# Altium PCB CameraControler0.7.PcbDoc (part 2 of 3)
Units mil, origin at the board's own origin, x right, y up, seen from the top; angles counter-clockwise.
Board outline 5511.81 x 4409.45 mil, 2 copper layers (Top Layer, Bottom Layer); 294 components, 219 nets, 919 pads, 373 vias.
Unrouted connection lines stored in the file: 189.
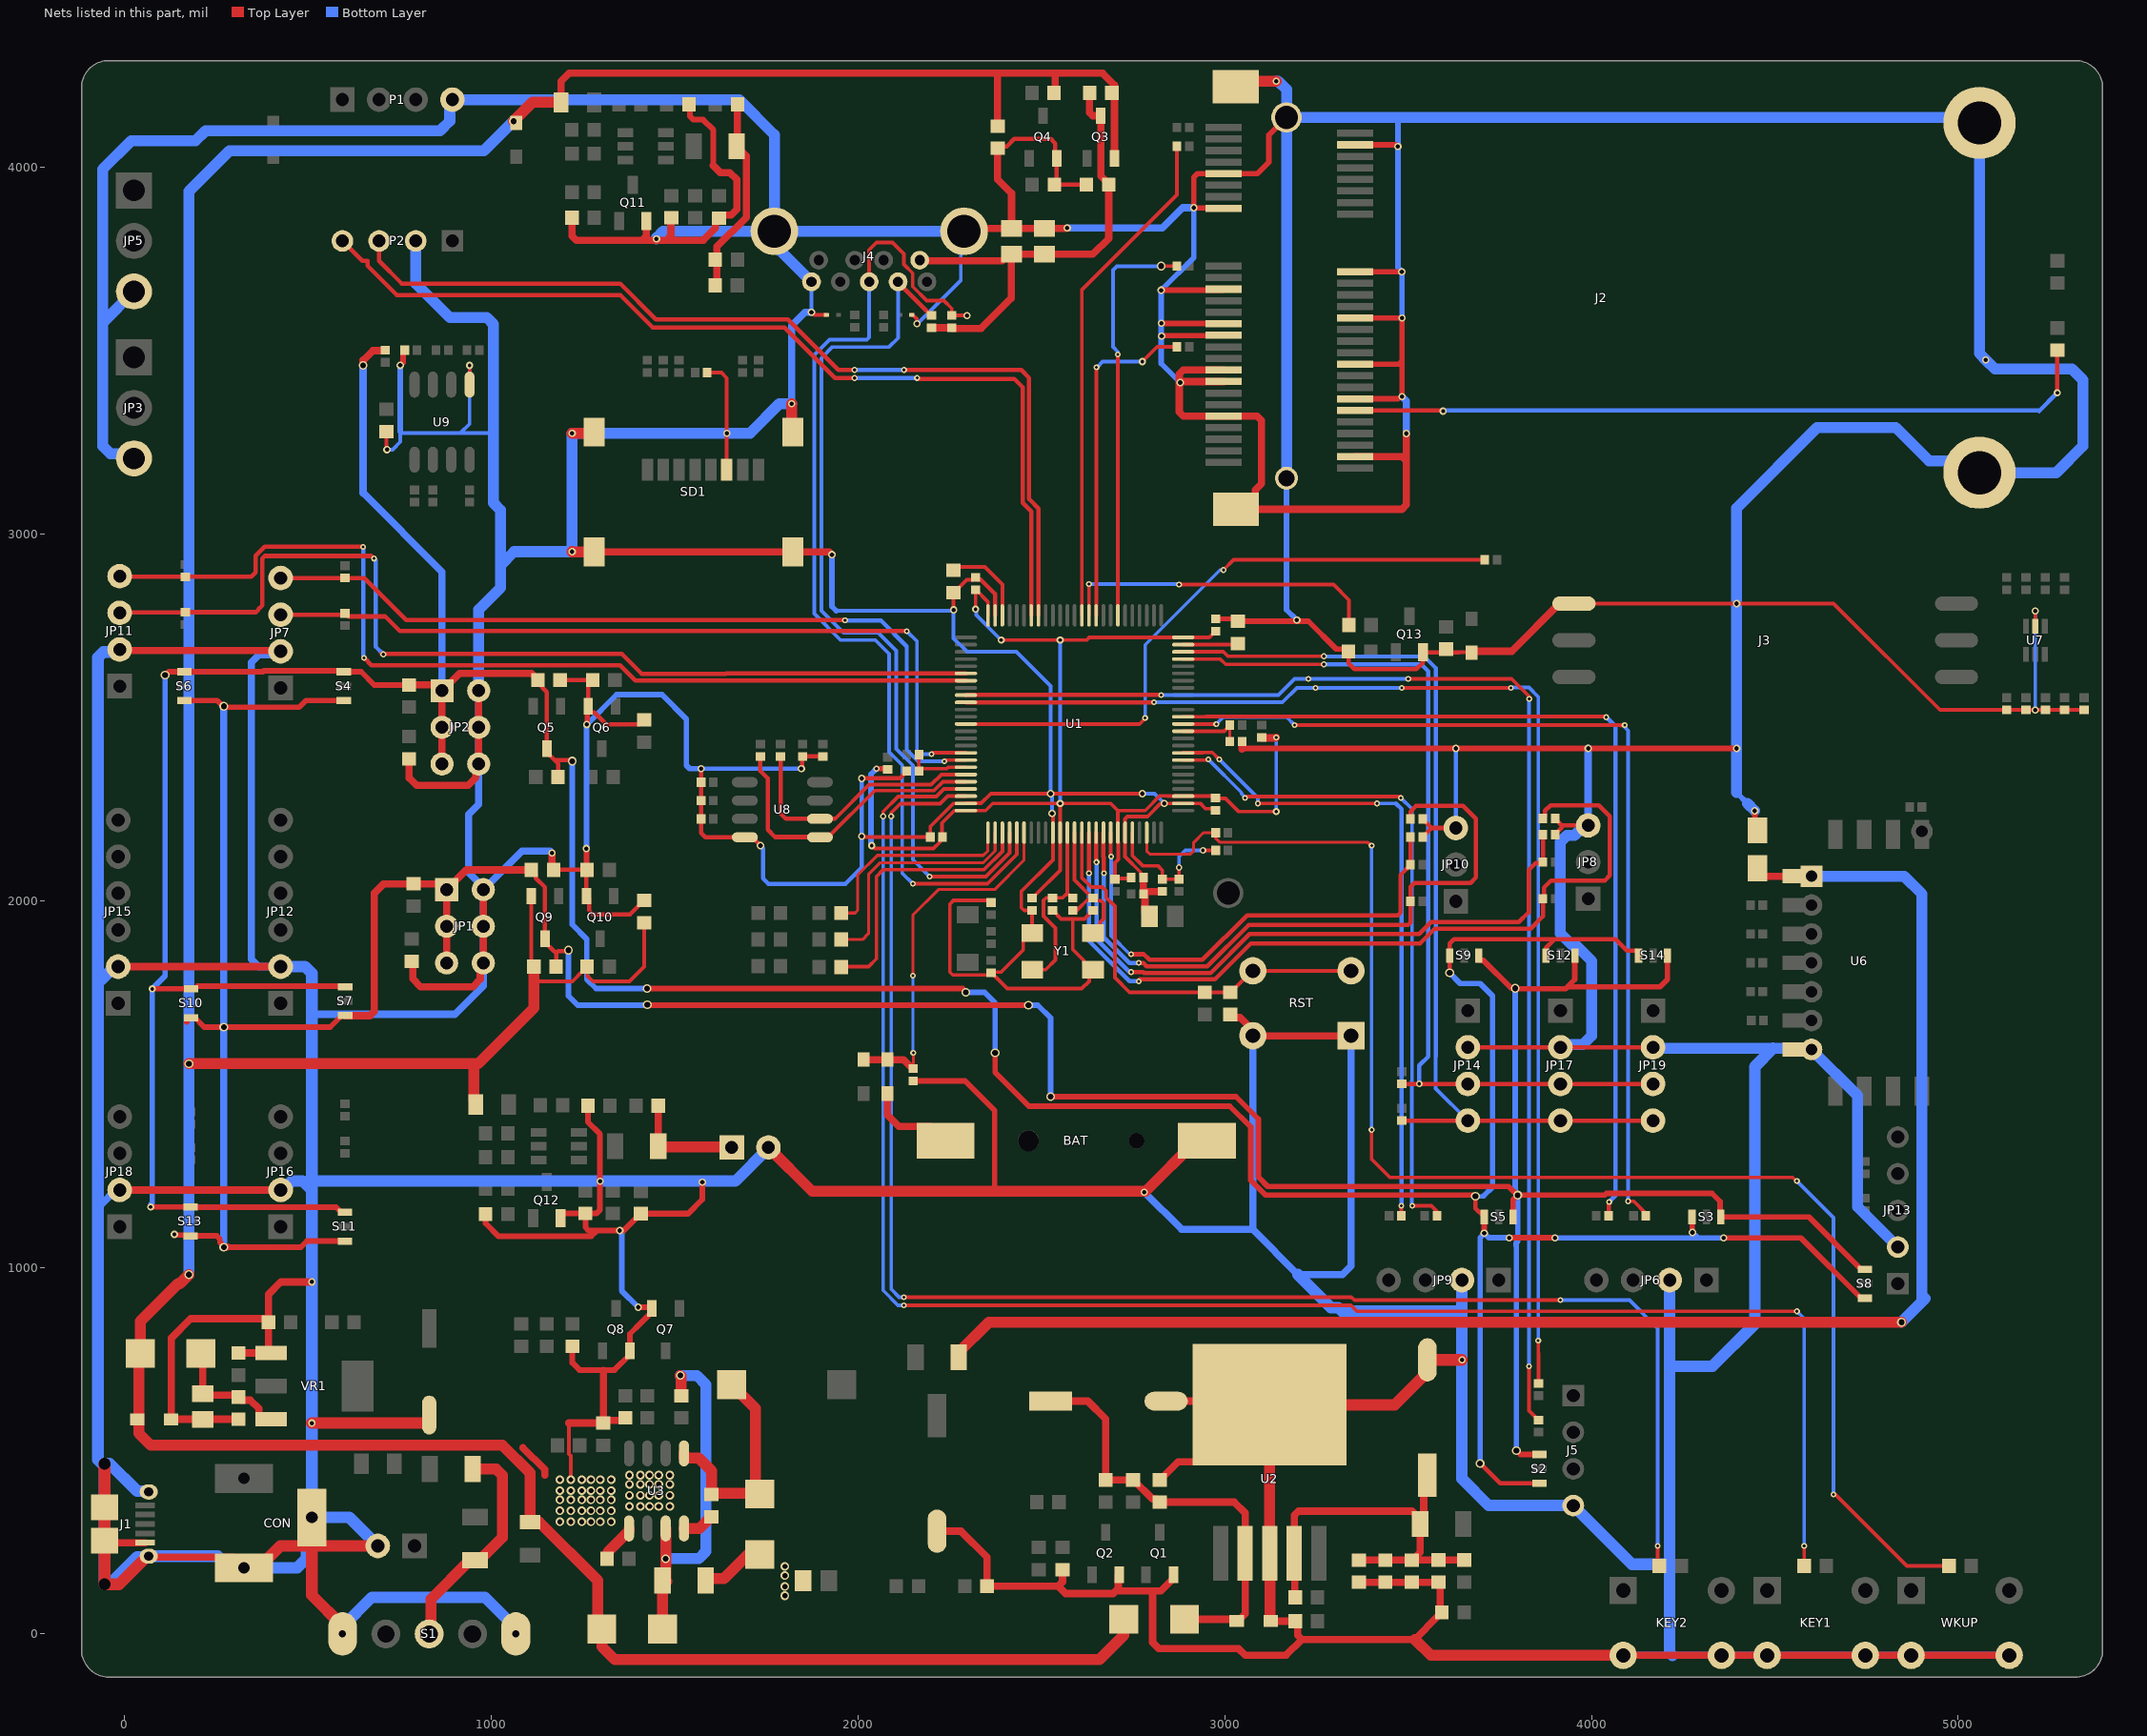
[diagram p2: the nets of this part, all layers, seen from the top]

## Via types
v1: diameter 16, hole 8, Top Layer to Bottom Layer, 142 vias
v2: diameter 20, hole 12, Top Layer to Bottom Layer, 65 vias
v3: diameter 23.62, hole 13.78, Top Layer to Bottom Layer, 54 vias
v4: diameter 24, hole 16, Top Layer to Bottom Layer, 41 vias
v5: diameter 20, hole 10, Top Layer to Bottom Layer, 32 vias
v6: diameter 18, hole 10, Top Layer to Bottom Layer, 26 vias
v7: diameter 16, hole 7.87, Top Layer to Bottom Layer, 7 vias
v8: diameter 157.48, hole 118.11, Top Layer to Bottom Layer, 4 vias
v9: diameter 20, hole 16, Top Layer to Bottom Layer, 2 vias

## Nets (pads, with @x,y where several pads share a name; then routed paths per layer and width w, separated by ;. In a path a pad name is that pad's centre, name@x,y a point inside that pad or via, vN(x,y) a via of type N, cw(c..) or ccw(c..) an arc to the next point about the centre after c; other vN are vias at no path point) (continued)
+3.3V_VCC_OUT3.3: C36.2 JP2.1 JP2.3 JP2.5 Q5.3 R44.1 R54.2 R101.1 S2.1 S3.1 S4.1 S5.1 S6.1 S7.1 S8.1 S9.1 S10.1 S11.1 S12.1 S13.1 S14.1 | length 12163.5
  Top Layer w10: v2(4360,1080) 4370,1080
  Top Layer w11.81: C36.2@1126.51,2601.74 1126.51,2593.44 1151.14,2568.81 Q5.3@1151.14,2413.99 1151.14,2404.14 1172.54,2382.75 1173.1,2382.75 ; R44.1@1181.46,2337.39 1181.46,2374.4 1173.1,2382.75 ; v4@1213.97,2382.75 1173.1,2382.75 ; v4(3612.95,1802.81) 3613.04,1802.9 3613.04,1849.91 S9.1@3613.13,1850 3613.13,1883.48 3624.65,1895 3899.59,1895 ; v4(3683.24,1193.56) 3683.24,1160.96 S5.1@3707.09,1137.11 ; v4(3695.86,465) 3750.23,410.63 S2.1@3857.89,410.63 ; 3875.63,1870 3875.63,1871.04 3899.59,1895 ; S14.1@4128.13,1850 4128.13,1859.84 4124.19,1863.78 4096.22,1863.78 4065,1895 3899.59,1895
  Top Layer w15: v5(70.63,1164.37) S13.1@179.23,1164.37 179.9,1163.7 576.49,1163.7 590.16,1150.03 S11.1@600,1150.03 ; v5(75,1759.37) S10.1@181.11,1759.37 190.95,1759.37 198.55,1766.96 599.15,1766.96 S7.1@601.11,1765 ; v4(110,2615) 119.37,2624.37 S6.1@162.11,2624.37 377.02,2624.37 379.61,2626.97 584.67,2626.97 587.27,2624.37 S4.1@597.11,2624.37 644.45,2624.37 680.56,2588.26 R54.2@775.17,2588.26 ; v4@1213.97,2382.75 1217.7,2382.75 v4(1220,2380.44) ; v4(1423.9,1760) 2284.95,1760 2293.74,1751.21 v4(2293.74,1750.1) ; v4(2373.46,1585) 2373.46,1531.54 2465.5,1439.5 3013.5,1439.5 3070.14,1382.86 3070.14,1237.37 3110.78,1196.73 3683.24,1196.73 v4(3683.24,1193.56) ; v2(3707.09,1092.91) S5.1@3707.09,1137.11 ; v2(3775,1080.34) 3899.66,1080.34 v2(3900,1080) ; S3.1@4273.63,1137.11 4274.32,1136.43 4274.32,1095.68 v2(4275,1095) ; 4370,1080 4570.79,1080 4735.16,915.63 S8.1@4745,915.63
  Top Layer w20: v4(650,3460) 650,3473.82 676.1,3499.92 708.36,3499.92 R101.1@710.17,3501.73 ; R54.2@775.17,2588.26 849.54,2588.26 JP2.1@865.17,2572.63 ; JP2.5@865.17,2372.63 JP2.3@865.17,2472.63 JP2.1@865.17,2572.63 ; C36.2@1126.51,2601.74 1126.51,2602.72 1109.11,2620.13 912.67,2620.13 JP2.1@865.17,2572.63
  Bottom Layer w11.81: v4(3683.24,1193.56) 3704.57,1193.56 3706.01,1195
  Bottom Layer w15: v5(70.63,1164.37) 71.59,1165.33 71.59,1171.59 75,1175 v5(75,1759.37) 110,1794.37 v4(110,2615) ; v4(1220,2380.44) 1220,1935 1260,1895 1260,1785 1285,1760 v4(1423.9,1760) ; v4@2295,1750.1 2344.9,1750.1 2373.46,1721.54 v4(2373.46,1585) ; v4(3612.95,1802.81) 3641.77,1774 3695.86,1774 3730,1739.86 3730,1218.99 3706.01,1195 ; v4(3695.86,465) 3695.86,1080.34 3707.09,1091.56 v2(3707.09,1092.91) 3719.66,1080.34 v2(3775,1080.34) ; v2(3900,1080) 4290,1080 ; v2(4275,1095) 4290,1080 ; v2(4360,1080) 4290,1080
  Bottom Layer w20: v4(650,3460) 650,3111.73 865.17,2896.56 JP2.1@865.17,2572.63
+3.3V_VCC_WiFi: C44.1 R41.2 U6.1 | length 4258.9
  Top Layer w19.68: C44.1@4452.12,2088.43 4452.12,2083.35 4468.86,2066.61 U6.1@4554.45,2066.61
  Top Layer w30: R41.2@2273.66,754.25 2273.66,767.44 2356.22,850 v4(4845,850)
  Bottom Layer w30: U6.1@4599.53,2066.44 4852.87,2066.44 4900.71,2018.6 4900.71,915 4910,915 v4(4845,850)
+3.3V_VDD: C10.1 C11.1 C12.1 C13.1 C14.1 C15.1 R6.1 R15.2 R16.2 U1.11 U1.19 U1.28 U1.50 U1.75 U1.100 | length 3533.4
  Top Layer w10: v5(2036.95,2150) 2044.88,2142.08 2205.5,2142.08 2223.28,2159.85 2223.28,2166.55 C10.1@2228.46,2171.74 ; C10.1@2230.09,2173.36 C10.1@2228.46,2171.74 ; v5(2320,2794.93) C15.1@2320,2848.27 2320.98,2848.27 2353.7,2815.55 2353.7,2778.07 U1.75@2353.78,2777.99 ; v5(2390.04,2710.8) v5(2550.63,2710.8) 2623.21,2710.8 2630.36,2717.95 U1.50@2886.26,2717.95 2956.97,2717.95 2974.02,2735 C14.1@2975,2735 ; C11.1@2474.52,2006.58 2475.51,2006.58 2482.32,2013.39 2482.32,2014.37 2550.63,2082.68 U1.11@2550.63,2185.47 v5(2550.63,2265) ; R6.1@2700,2058.46 2702.32,2060.79 R6.1@2703.31,2060.79 ; C12.1@2744.25,2063.11 2741.93,2060.79 R6.1@2703.31,2060.79 ; C13.1@2969.76,2284.96 2886.34,2284.96 U1.28@2886.26,2284.88 2886.18,2284.96 2844.74,2284.96 2843.7,2286 2823.09,2286 2782.6,2245.51 2708.11,2245.51 ; C13.1@2974.02,2279.93 2975.56,2278.38 3001.81,2278.38 3037.09,2243.11 v5(3140,2243.11) ; C10.1@2228.46,2171.74 2228.46,2211.66 2262.32,2245.51 U1.100@2293.74,2245.51 2347.4,2245.51 2366.89,2265 v5(2550.63,2265) ; v5(2550.63,2265) 2688.62,2265 2708.11,2245.51 ; R6.1@2703.31,2060.79 2700,2064.09 2700,2103.13 2709,2112.13 2709,2159.15 2708.11,2160.04 U1.19@2708.11,2185.47 2708.11,2245.51
  Top Layer w15: v1(2049.94,2359.94) 2077.73,2359.94 R16.2@2080,2357.66
  Top Layer w20: R15.2@3100,2445.31 3101.81,2443.5 3138.5,2443.5 v1(3140,2445)
  Bottom Layer w10: v5(2320,2794.93) 2321.91,2793.02 2321.91,2778.93 v5(2390.04,2710.8) ; v5(2550.63,2265) v5(2550.63,2710.8) ; v5(3140,2243.11) v1(3140,2445)
  Bottom Layer w15: v5(2036.95,2150) 2035,2151.95 2035,2344.73 2049.94,2359.67 v1(2049.94,2359.94)
+5V_VBAT: R25.2 R26.2 S1.2 | length 619.3
  Top Layer w30: S1.2@830,0 835,5 835,94.53 941.81,201.34 R26.2@955,201.34 968.19,201.34 1030,263.15 1030,432.43 1012.43,450 R25.2@948.66,450
+5V_VBAT_IN: C29.2 C38.2 D4.1 D5.1 D6.2 D7.1 D10.1 F3.2 F4.2 F5.2 Q3.2 Q9.2 R35.2 R37.2 R55.2 R56.2 | length 11638.5
  Top Layer w10: Q9.2@1108.55,2012.38 1108.55,1826.73 R56.2@1115.64,1819.64 R56.2@1115.64,1807.46 ; 1115.64,1795.27 1131.27,1779.64 1220.95,1779.64 1246.66,1805.35 1247.65,1805.35 R55.2@1260.95,1818.66 ; R55.2@1260.95,1819.64 R55.2@1260.95,1818.66 ; C38.2@1416.27,1939.64 1416.27,1819.64 1376.27,1779.64 1276.58,1779.64 1260.95,1795.27 R55.2@1260.95,1818.66
  Top Layer w19.68: F4.2@1190,4177.28 1190,4235 1212.2,4257.2 2380.25,4257.2 ; C29.2@2380.25,4112.52 2380.25,4257.2 ; R35.2@2537.64,4206.63 2537.64,4257.2 ; Q3.2@2698.78,4024.47 2698.78,4224.8 2666.37,4257.2 2537.64,4257.2 ; 2380.25,4257.2 2537.64,4257.2
  Top Layer w23.62: R35.2@2534.29,4203.29 R35.2@2537.64,4206.63
  Top Layer w30: D6.2@33.54,585.35 D6.2@36.59,585.35 ; v4(175,980) 150,955 145,955 42.32,852.32 D5.1@42.32,765 37.93,760.61 37.93,586.69 D6.2@36.59,585.35 ; v4(175,1555) 952.23,1555 ; F5.2@957.23,1443.9 957.23,1451.4 952.23,1456.4 952.23,1555 ; v4(1060,4125.65) 1111.87,4177.52 1189.76,4177.52 F4.2@1190,4177.28 ; F3.2@1105,305 1105,439.37 1030,514.37 70.63,514.37 38.23,546.77 38.23,584.02 36.89,585.35 D6.2@36.59,585.35 ; R56.2@1115.64,1807.46 1115.64,1795.27 1115.64,1707.16 963.48,1555 952.23,1555 ; F3.2@1130,305 1289.55,145.45 1289.55,25.02 D10.1@1300.98,13.58 ; D10.1@1300.91,13.58 1300.91,-35 1335.91,-70 2657.81,-70 2724.53,-3.28 D7.1@2724.53,39.92
  Bottom Layer w30: v4(175,980) v4(175,1555) 175,3935 285,4045 979.35,4045 v4(1060,4125.65)
+5V_VCC_CAM: R57.2 R88.1 R89.1 R136.2 | length 541.3
  Top Layer w15.75: R57.2@1668.9,4057.2 R57.2@1669.88,4058.19 ; R136.2@1669.88,4171.22 R136.2@1670.86,4172.2
  Top Layer w19.68: R89.1@1609.68,3677.83 1615,3683.15 1615,3783.56 1695,3863.56 1695,4031.1 R57.2@1668.9,4057.2 ; R57.2@1669.88,4058.19 R136.2@1669.88,4171.22
+5V_VCC_OUT: JP4.1 R65.2 R137.2 | length 312.2
  Top Layer w19.68: R65.2@1454.76,1330 R137.2@1454.76,1440.48
  Top Layer w30: R65.2@1454.76,1330 1456.37,1328.4 1653.55,1328.4 JP4.1@1655.16,1326.79
+5V_VCC_OUT5: C41.2 JP1.1 JP1.3 JP1.5 Q9.3 R46.2 R56.1 S2.3 S3.3 S4.3 S5.3 S6.3 S7.3 S8.3 S9.3 S10.3 S11.3 S12.3 S13.3 S14.3 | length 10619.9
  Top Layer w11.81: C41.2@1108.55,2083.99 1120.95,2071.59 1120.95,2061.37 1145.95,2036.37 Q9.3@1145.95,1896.24 1145.95,1886.39 1167.35,1865 1167.92,1865 1176.27,1856.65 ; R56.1@1176.27,1819.64 1176.27,1856.65 ; v4(1210,1865) 1207.67,1862.67 1182.29,1862.67 1176.27,1856.65
  Top Layer w15: v5(135,1090) 136.35,1090 138.38,1087.97 176.89,1087.97 S13.3@179.23,1085.63 250.63,1085.63 259.42,1076.84 259.42,1068.02 270,1057.44 v4(270,1055) ; S6.3@162.11,2545.63 251.93,2545.63 267.56,2530 v4(270,2530) ; 168.93,1668.44 168.93,1678.29 171.27,1680.63 S10.3@181.11,1680.63 190.95,1680.63 216.58,1655 v4(270,1655) 560.01,1655 591.27,1686.26 S7.3@601.11,1686.26 ; v4@278,2527.63 475.59,2527.63 493.59,2545.63 S4.3@597.11,2545.63 ; v4@280,1055 480,1055 496.29,1071.29 S11.3@600,1071.29 ; v4(1425,1715.98) 1426.1,1714.88 v4(2464.34,1714.88) ; v4(2524.73,1465) 3030,1465 3091.14,1403.86 3091.14,1246.06 3116.71,1220.5 3773.48,1220.5 3797.25,1196.73 v4(3798.5,1196.73) ; S9.3@3691.87,1850 3691.87,1840.16 3694.21,1837.81 3704.06,1837.81 3780.99,1760.88 v4(3791.81,1760.88) 3793.19,1759.5 3928.87,1759.5 3934.37,1765 ; S5.3@3785.83,1137.11 3785.83,1184.06 v4(3798.5,1196.73) ; v4(3795,500) 3805.63,489.37 S2.3@3857.89,489.37 ; S12.3@3954.37,1850 3954.37,1785 3934.37,1765 ; S14.3@4206.87,1850 4206.87,1785 4186.87,1765 3934.37,1765 ; S8.3@4745,994.37 4735.16,994.37 4592.42,1137.11 S3.3@4352.37,1137.11 4350.32,1139.16 4350.32,1179.3 4328.11,1201.5 4040.72,1201.5 4035.95,1196.73 v4(3798.5,1196.73)
  Top Layer w20: v4(270,1055) v4@280,1055 ; S7.3@601.11,1686.26 668.28,1686.26 680,1697.98 680,2020 705.63,2045.63 R46.2@787.66,2045.63 862.03,2045.63 JP1.1@877.66,2030 ; JP1.5@877.66,1830 JP1.3@877.66,1930 JP1.1@877.66,2030 ; C41.2@1108.55,2083.99 931.65,2083.99 JP1.1@877.66,2030
  Bottom Layer w15: v4(1210,1865) 1210,1739.88 1235,1714.88 1423.9,1714.88 v4(1425,1715.98) ; v4(2464.34,1714.88) 2490,1714.88 2524.73,1680.16 v4(2524.73,1465) ; v4(3791.81,1760.88) 3791.81,1205.86 3798.5,1199.17 v4(3798.5,1196.73) 3798.5,1070.6 3794.09,1066.2 3794.09,1059.36 3795,1058.46 v4(3795,500)
  Bottom Layer w20: v4(270,1055) v4(270,1655) v4(270,2530)
+5V_VCC_USB: C30.2 C51.2 C52.2 J4.1 Q3.3 R37.1 R84.2 R125.2 | length 1359.5
  Top Layer w10: R37.1@2622.69,4203.28 R37.1@2622.69,4217.2
  Top Layer w19.68: J4.1@2167.8,3746.89 2169.86,3744.83 2393.31,3744.83 2411.95,3763.46 C51.2@2418.05,3763.46 ; R84.2@2200,3562.4 R125.2@2255,3562.4 2256.97,3560.43 2297.32,3560.43 2297.75,3560 2335,3560 2418.05,3643.05 C51.2@2418.05,3763.46 ; R37.1@2631.06,4203.28 2631.06,4149.8 2640.25,4140.61 Q3.3@2661.37,4140.61 2661.37,3975.79 C30.2@2683.32,3953.84 ; C30.2@2683.32,3952.85 2683.32,3806.54 2640.25,3763.46 C52.2@2508.05,3763.46 C51.2@2418.05,3763.46
ADC_CH1: R100.2 R132.1 U1.15 | length 2301.2
  Top Layer w11.81: v7(2629.37,2075) U1.15@2629.37,2185.47 ; v1@2767.17,1785 2972.1,1785 3070.58,1883.48 3531.86,1883.48 3572.13,1923.75 3834.18,1923.75 3867.17,1956.73 R100.2@3867.17,2005.08 3870,2007.91 3870,2035.59 3889.49,2055.08 4036.16,2055.08 4049.63,2068.54 4049.63,2230.08 4019.63,2260.08 3888.07,2260.08 3873.07,2245.08 3873.07,2229.92 R132.1@3867.17,2224.02
  Bottom Layer w11.81: v7(2629.37,2075) 2629.37,1890.18 2739.55,1780 v1(2765,1780)
ADC_CH2: R103.2 R104.1 U1.16 | length 1814
  Top Layer w11.81: U1.16@2649.06,2185.47 2649.06,2115.94 2649.2,2115.8 2649.2,2105.8 v7(2650,2105) ; v7(2744.25,1805.04) 2777.24,1805.04 2779.47,1802.81 2961.28,1802.81 3067.42,1908.96 3530,1908.96 3562.6,1941.56 3801.68,1941.56 3828.07,1967.95 3828.07,2083.07 3848.07,2103.07 3865.16,2103.07 R103.2@3867.17,2105.08 R104.1@3867.17,2180.08
  Bottom Layer w11.81: v7(2650,2105) 2650,1894.74 2739.7,1805.04 v7(2744.25,1805.04)
ADC_CH3: R106.2 R107.1 U1.17 | length 1871.1
  Top Layer w11.81: U1.17@2668.74,2185.47 2668.74,2119.98 2670,2118.71 v7(2670,2075) ; v7(2765,1830.2) 2765.8,1829.4 2778.07,1829.4 2786.85,1820.62 2951.7,1820.62 3064.19,1933.11 3499.32,1933.11 3506.24,1940.03 R106.2@3506.24,1998.11 3506.24,2037.2 3517.15,2048.11 3669.7,2048.11 3684.7,2063.11 3684.7,2223.11 3649.7,2258.11 3521.24,2258.11 3506.24,2243.11 R107.1@3506.24,2223.11 R107.1@3506.24,2222.13
  Bottom Layer w11.81: v7(2670,2075) 2670,1899.93 2739.73,1830.2 v7(2765,1830.2)
ADC_CH4: R108.2 R109.1 U1.18 | length 1367
  Top Layer w10: U1.18@2688.43,2185.47 2688.43,2123.2 2690,2121.62 v7(2690,2120)
  Top Layer w11.81: v7(2744.25,1853.83) 2778.83,1853.83 2794.23,1838.43 2938.88,1838.43 3060.29,1959.84 3471.6,1959.84 3479.7,1967.95 3479.7,2070.59 3506.24,2097.13 R108.2@3506.24,2098.11 3506.24,2172.13 R109.1@3506.24,2173.11
  Bottom Layer w10: v7@2688.43,2120.53 2690,2118.96 2690,1904.28 v7@2741.17,1853.11
BOOT0: R7.2 R8.1 U1.94 | length 177.2
  Top Layer w10: R7.2@2165.63,2398.18 R8.1@2165.63,2353.36 2172.2,2359.94 2241.81,2359.94 2245.49,2363.62 U1.94@2293.74,2363.62
BOOT1: R9.2 R10.1 U1.37 | length 178.6
  Top Layer w8: R10.1@3013.38,2433.78 3013.38,2477.79 R9.2@3013.38,2478.78
  Top Layer w10: U1.37@2886.26,2462.05 2997.64,2462.05 R9.2@3013.38,2477.79
Cam_Connect: J4.8 R84.1 U1.4 | length 2406.9
  Top Layer w10: v1(2195,2065.59) 2348.32,2065.59 2412.83,2130.1 U1.4@2412.83,2185.47
  Top Layer w11.81: J4.8@2108.74,3687.83 2108.74,3686.14 2199.02,3595.86 R84.1@2200,3595.86
  Bottom Layer w10: J4.8@2108.74,3687.83 2108.74,3534.6 2084.14,3510 1930,3510 1900,3480 1900,2790.8 1960,2730.8 2054.68,2730.8 2104.14,2681.34 2104.14,2413.59 2148.9,2368.83 2148.9,2111.69 v1(2195,2065.59)
Cam_TakePhoto: J4.7 R125.1 U1.5 | length 2801.1
  Top Layer w10: J4.7@2030,3687.83 2030,3775 2050,3795 2093.46,3795 2125,3763.46 2125,3735 2148.66,3711.34 2148.66,3674.9 2187.31,3636.26 2233.74,3636.26 2255,3615 R125.1@2255,3595.86 v2(2296.89,3595.86) ; v1(2149.1,2045.9) 2352.55,2045.9 2432.52,2125.88 U1.5@2432.52,2185.47
  Bottom Layer w10: J4.7@2030,3687.83 2030,3536 2024,3530 1921.72,3530 1880,3488.28 1880,2782.52 1951.72,2710.8 2046.4,2710.8 2084.14,2673.06 2084.14,2405.3 2120,2369.44 2120,2075 v1(2149.1,2045.9)
EC25_DTR: R80.1 U1.60 | length 919.8
  Top Layer w10: U1.60@2649.06,2777.99 2649.06,3454.06 v1(2650,3455) ; v5(2775,3470) 2815.28,3510.28 R80.1@2869.53,3510.28
  Bottom Layer w10: v1(2650,3455) 2651.62,3455 2666.62,3470 v5(2775,3470)
EC25_PERST#: R73.1 U1.61 | length 880.7
  Top Layer w10: U1.61@2629.37,2777.99 v1(2629.37,2863.47) ; v1(2875,2861.85) 3296.1,2861.85 3337.95,2820 R73.1@3337.95,2751.42
  Bottom Layer w10: v1(2629.37,2863.47) 2865,2863.47 2865.48,2863 2873.85,2863 v1(2875,2861.85)
EC25_RI: R81.1 U1.57 | length 1169.1
  Top Layer w10: U1.57@2708.11,2777.99 v1(2708.11,3490) 2708.11,3447.28 ; v4(2826.22,3730.75) R81.1@2869.53,3730.75
  Bottom Layer w10: v1(2708.11,3490) 2708.11,3496.89 2695,3510 2695,3720 2705,3730 2825,3730 2825.75,3730.75 v4(2826.22,3730.75)
EC25_W_DISABLE: R83.2 U1.88 | length 1717.5
  Top Layer w10: U1.88@2293.74,2481.73 2766.94,2481.73 2782.56,2497.34 v1(2782.56,2498.29) ; v1(2995.87,2901.73) 3024.14,2930 R83.2@3708.27,2930
  Bottom Layer w10: v1(2782.56,2498.29) 2782.56,2697.56 2986.73,2901.73 v1(2995.87,2901.73)
EC25_WAKE#: R82.1 U1.62 | length 1386.8
  Top Layer w10: U1.62@2609.69,2777.99 2609.69,3664.88 2869.53,3924.73 R82.1@2869.53,4057.2
GND: BAT.2 C1.1 C2.2 C3.1 C4.1 C5.2 C6.1 C7.2 C8.1 C9.1 C10.2 C11.2 C12.2 C13.2 C14.2 C15.2 C16.2 C17.2 C18.2 C19.1 C20.1 C21.2 C22.1 C23.2 C24.1 C25.2 C26.1 C27.1 C28.1 C29.1 C30.1 C32.1 C33.2 C34.2 C35.1 C36.1 C38.1 C40.1 C41.1 C43.1 C44.2 C45.1 C46.1 C47.1 C48.1 C49.1 C50.2 C51.1 C52.1 C53.2 C54.1 CON.2 CON.3 D6.1 D9.1 D11.1 D13.1 D14.2 D15.2 J1.5 J1.Shell J2.4 J2.9 J2.15 J2.18 J2.21 J2.26 J2.27 J2.29 J2.34 J2.35 J2.37 J2.40 J2.43 J2.50 J2.53 J2.54 J2.MH1 J2.MH2 J2.MH3 J2.MH4 J3.4 J4.5 J4.Shell J5.4 JP1.2 JP1.4 JP1.6 JP2.2 JP2.4 JP2.6 JP3.3 JP4.2 JP5.3 JP6.2 JP7.2 JP8.3 JP9.2 JP10.3 JP11.2 JP12.2 JP13.2 JP14.2 JP15.2 JP16.2 JP17.2 JP18.2 JP19.2 JP20.2 KEY1.2 KEY2.2 LED11.K LED12.K LED13.K LED14.K LED15.K LED16.K LED18.K P1.4 P2.2 Q1.2 Q2.2 Q4.2 Q6.2 Q7.2 Q8.2 Q10.2 Q11.2 Q12.2 Q13.2 R8.2 R10.2 R31.1 R33.1 R38.1 R39.1 R47.1 R49.1 R51.2 R52.1 R53.1 R61.2 R62.1 R64.2 R69.2 R71.2 R74.2 R85.2 R86.2 R87.2 R90.2 R104.2 R107.2 R109.2 R122.1 R132.2 RST.1 S1.0 SD1.6 SD1.9 SD1.10 SD1.11 SD1.12 U1.10 U1.20 U1.27 U1.74 U1.99 U2.0 U2.3 U3.5 U6.7 U7.2 U8.4 U9.5 VR1.1 WKUP.2 Y1.2 Y1.4 | length 71060.1
  Top Layer w10: C53.2@713.64,3279.37 713.64,3231.36 v2(715,3230) ; U9.5@940.17,3407.36 v5(940.17,3460) ; 1210.75,575 1210.75,490.78 1216.34,485.19 v3(1216.34,420.75) ; C18.2@1588.43,3440.28 1626.57,3440.28 1641.58,3425.28 v2(1641.58,3275) SD1.6@1641.58,3175.28 ; v2(1872.52,3604.76) 1879.68,3597.6 D14.2@1913.47,3597.6 ; v2(2009.57,2174.99) 2011.19,2173.36 C10.2@2196.62,2173.36 ; D15.2@2146.53,3597.6 2148.54,3597.6 2160.45,3585.69 v2(2160.45,3573.27) ; C10.2@2196.62,2174.99 2196.62,2202.44 2259.3,2265.12 2293.66,2265.12 U1.99@2293.74,2265.2 2293.82,2265.27 2335.27,2265.27 2361.62,2291.62 v2(2524.73,2291.62) v2(2775.15,2291.62) ; v2(2260,2793.02) 2260,2839.02 2295.9,2874.92 2313.19,2874.92 C15.2@2320,2881.73 ; C16.2@2362.24,1994.65 2356.58,2000.32 2260,2000.32 2250,1990.32 2250,1805.04 2257.89,1797.15 2356.28,1797.15 C17.2@2362.24,1803.11 ; v2(2528.64,2237.97) 2530.84,2235.77 2530.84,2223.11 ; C2.2@2529.86,1973.11 2530.84,1973.11 2553.65,1950.3 2585.19,1950.3 ; 2530.87,2223.08 2530.87,2185.55 U1.10@2530.95,2185.47 2530.95,2110.95 2445,2025 2445,1980.63 2452.52,1973.11 C11.2@2474.52,1973.11 Y1.4@2474.52,1911.58 2468.62,1911.58 2449.99,1892.95 2449.99,1864.99 2390.04,1805.04 2364.17,1805.04 C17.2@2362.24,1803.11 ; C5.2@2640.52,1973.11 2639.54,1973.11 2616.72,1950.3 2585.19,1950.3 ; C12.2@2777.72,2063.11 2770.91,2069.92 2770.91,2076.62 2727.8,2119.73 U1.20@2727.8,2185.47 2727.8,2223.11 2734.2,2229.51 2789.23,2229.51 2824.91,2265.2 ; v2@2835,2265.2 U1.27@2886.26,2265.2 2932.68,2265.2 2947.2,2250.67 2972.79,2250.67 C13.2@2975,2248.46 ; 3638.27,2677.2 3671.98,2677.2 D13.1@3673.27,2675.91 ; J3.4@3951.69,2810 v2(4395.59,2810) 4660,2810 4950,2520 C47.1@5131.73,2520 C48.1@5184.57,2520 C49.1@5237.24,2520 ; U7.2@5210,2748.19 v2(5210,2790) ; C49.1@5237.4,2520 C46.1@5343.07,2520 ; C17.2@2362.24,1803.11 2363.23,1803.11 2406.34,1760 2609.69,1760 2629.69,1780 2629.69,1800.74 Y1.2@2640.52,1811.58 2634.62,1811.58 2615.99,1830.2 2615.99,1836.1 2585.19,1866.91 2585.19,1950.3
  Top Layer w11.81: C41.1@1169.18,2083.99 R62.1@1260.95,2083.99 1258.87,2081.9 Q10.2@1258.87,2012.38 1265.76,2005.49 1265.76,1973.38 1276.58,1962.55 1377.57,1962.55 1415.28,2000.27 C38.1@1416.27,2000.27 ; C36.1@1187.14,2601.74 R49.1@1275.82,2601.74 1263.74,2589.65 Q6.2@1263.74,2530.13 1263.74,2520.28 1270.63,2513.4 1280.47,2513.4 1313.56,2480.3 1403.74,2480.3 C32.1@1416.14,2492.7 ; v2(1571.58,2359.94) R85.2@1571.58,2322.97 R86.2@1571.58,2272.97 R87.2@1571.58,2222.97 1571.58,2184.7 1583.31,2172.97 U8.4@1690.95,2172.97 1711.47,2172.97 1733.31,2151.13 v2(1733.31,2150) ; v2(1845,2359.67) 1846.57,2361.23 1846.57,2391.62 C50.2@1848.31,2393.36 R122.1@1903.31,2393.36 ; v2(2009.57,2333.36) 2113.15,2333.36 2132.16,2352.38 R8.2@2132.16,2353.36 ; C15.2@2320,2881.73 2325.91,2875.83 2333.89,2875.83 2373.46,2836.25 U1.74@2373.46,2777.99 ; C29.1@2380.25,4051.89 2385.57,4057.2 2405.25,4057.2 2425.25,4077.2 2525.25,4077.2 2537.64,4064.82 2537.64,4028.2 Q4.2@2541.37,4024.47 R39.1@2541.37,3959.66 ; R39.1@2540.25,3958.54 R39.1@2541.37,3959.66 ; C30.1@2622.69,3952.85 2548.19,3952.85 R39.1@2541.37,3959.66 ; C14.2@2975,2768.46 3028.58,2768.46 C3.1@3035,2762.05 ; R74.2@3337.2,2679.58 3337.2,2647.48 3353.27,2631.42 3522.2,2631.42 3540.67,2649.88 Q13.2@3540.67,2677.2 3638.27,2677.2 ; R109.2@3539.7,2173.11 3539.7,2174.09 3563.72,2198.11 ; R107.2@3539.7,2223.11 3539.7,2222.13 3563.72,2198.11 ; JP10.3@3629.7,2198.11 3563.72,2198.11 ; JP14.2@3662.5,1600 JP17.2@3915,1600 JP19.2@4167.5,1600 ; R104.2@3900.63,2180.08 3900.63,2181.06 3918.58,2199.02 3918.58,2205.08 ; R132.2@3900.63,2224.02 3900.63,2223.03 3918.58,2205.08 ; JP8.3@3989.76,2205.94 JP8.3@3990.63,2205.08 3918.58,2205.08